# Altium PCB GSMLift.PcbDoc
Units mm, origin at the board's own origin, x right, y up, seen from the top; angles counter-clockwise.
Board outline 100 x 50 mm, 2 copper layers (Top Layer, Bottom Layer); 71 components, 43 nets, 269 pads, 376 vias.
Unrouted connection lines stored in the file: 100.
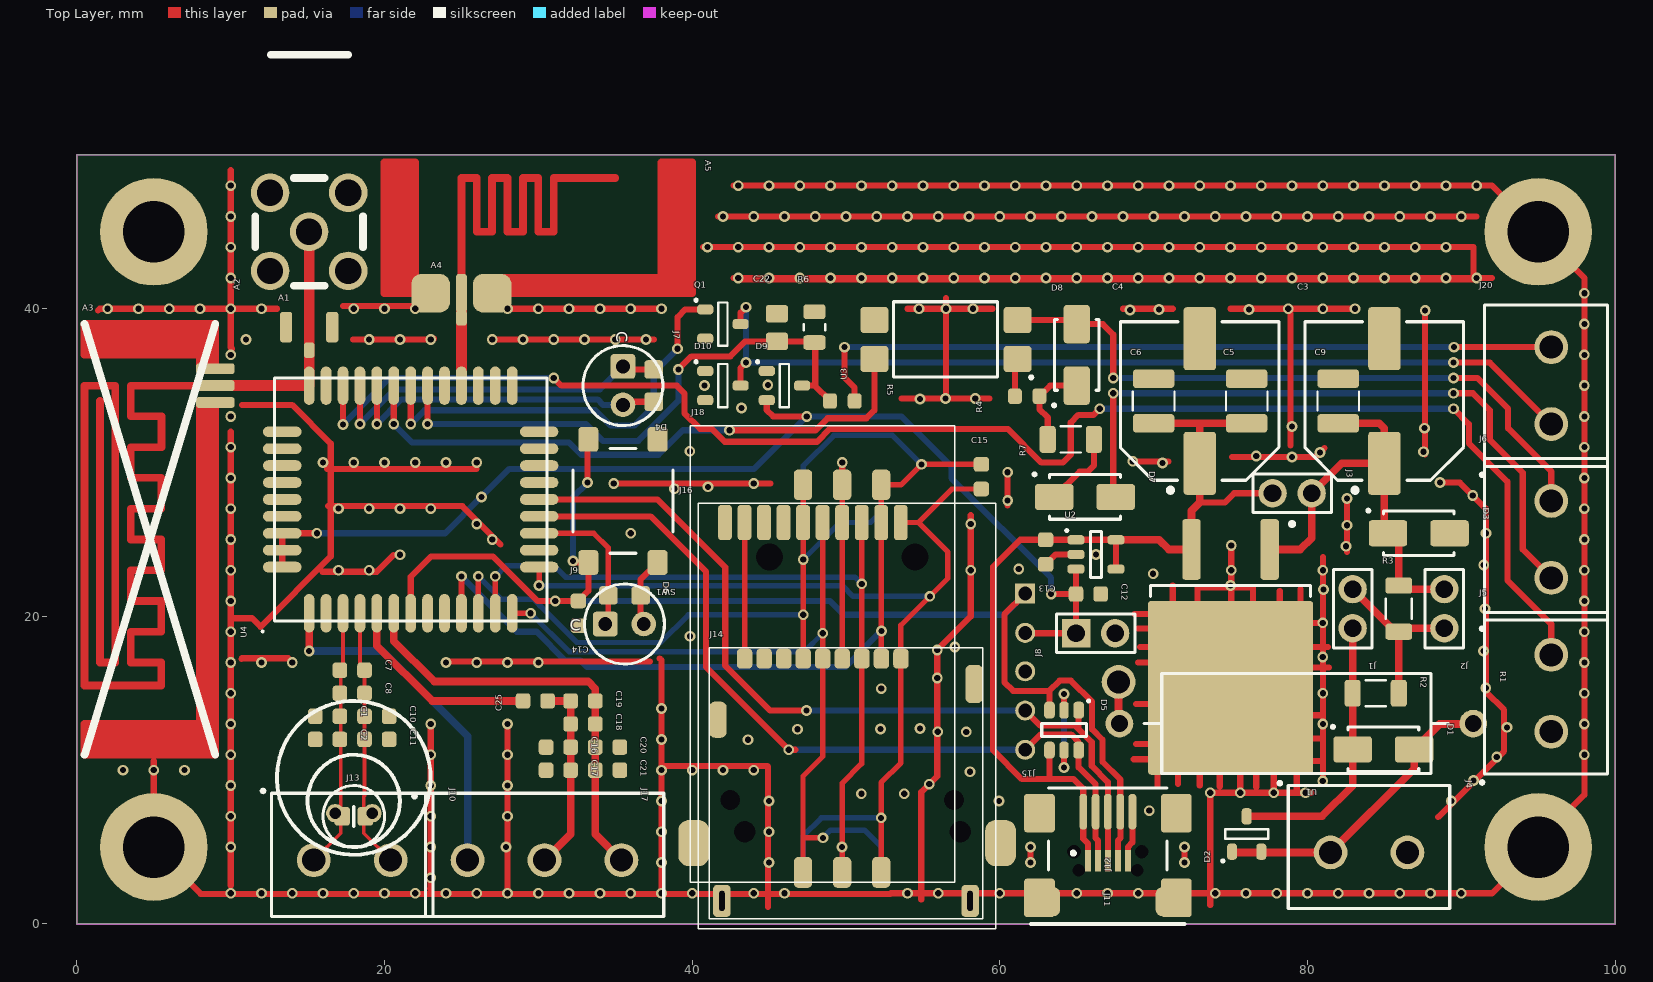
[diagram p0: Top Layer view]
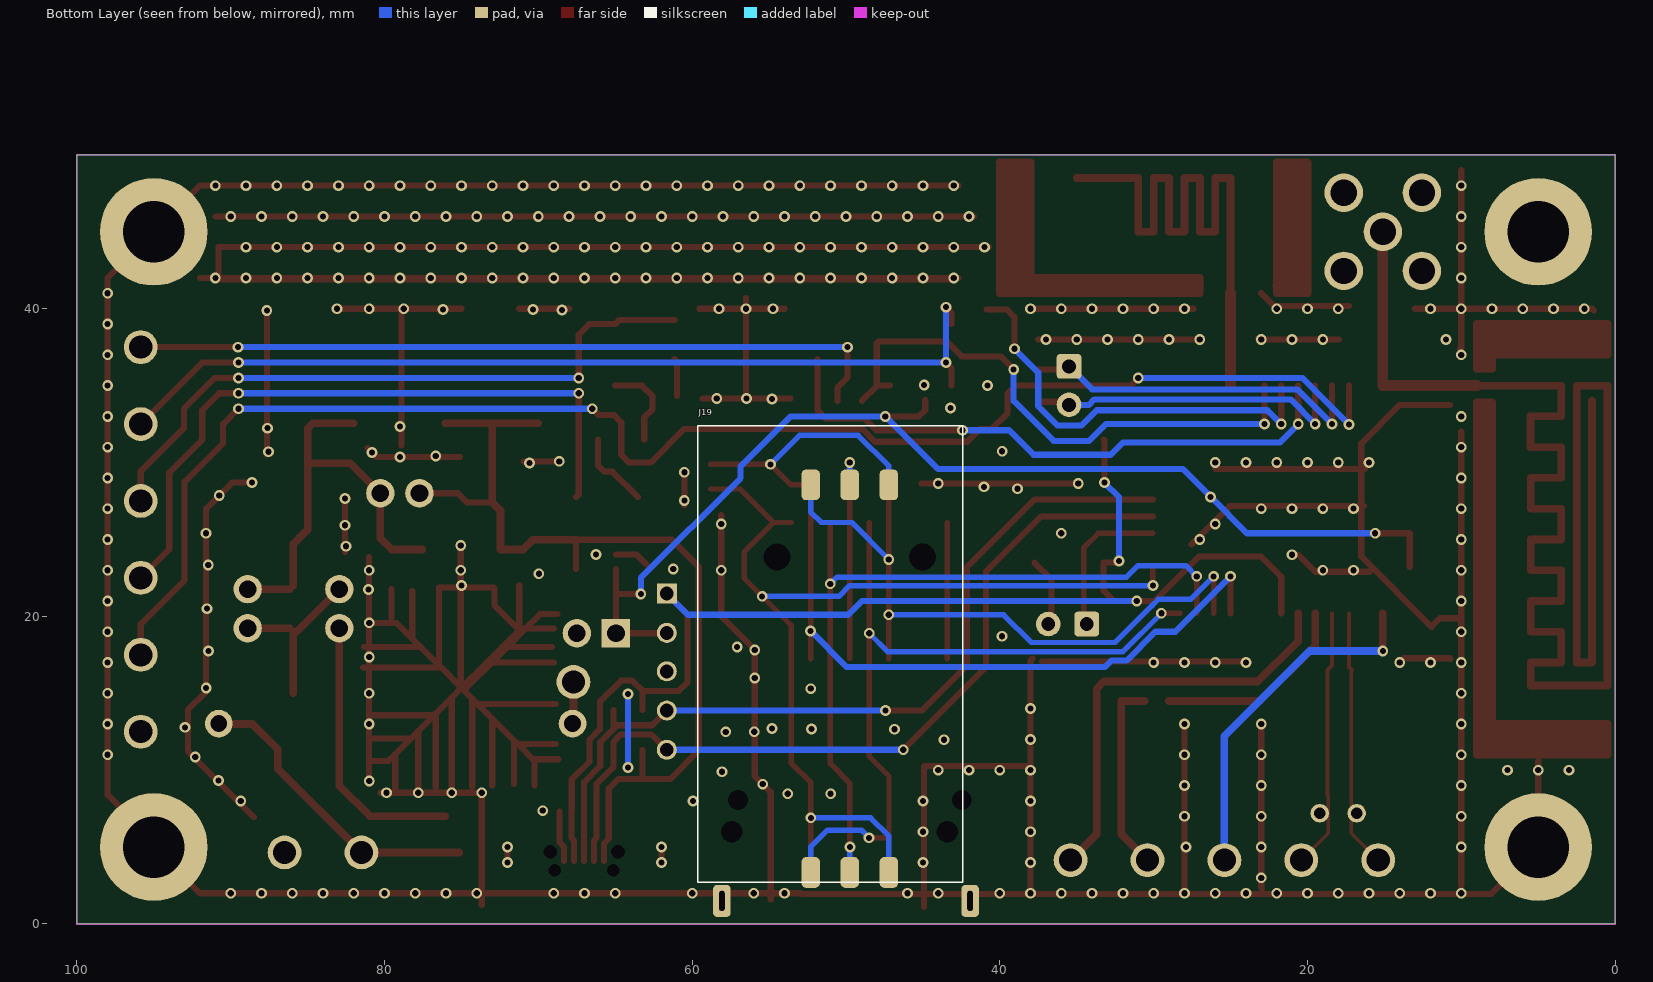
[diagram p1: Bottom Layer view, seen from below]
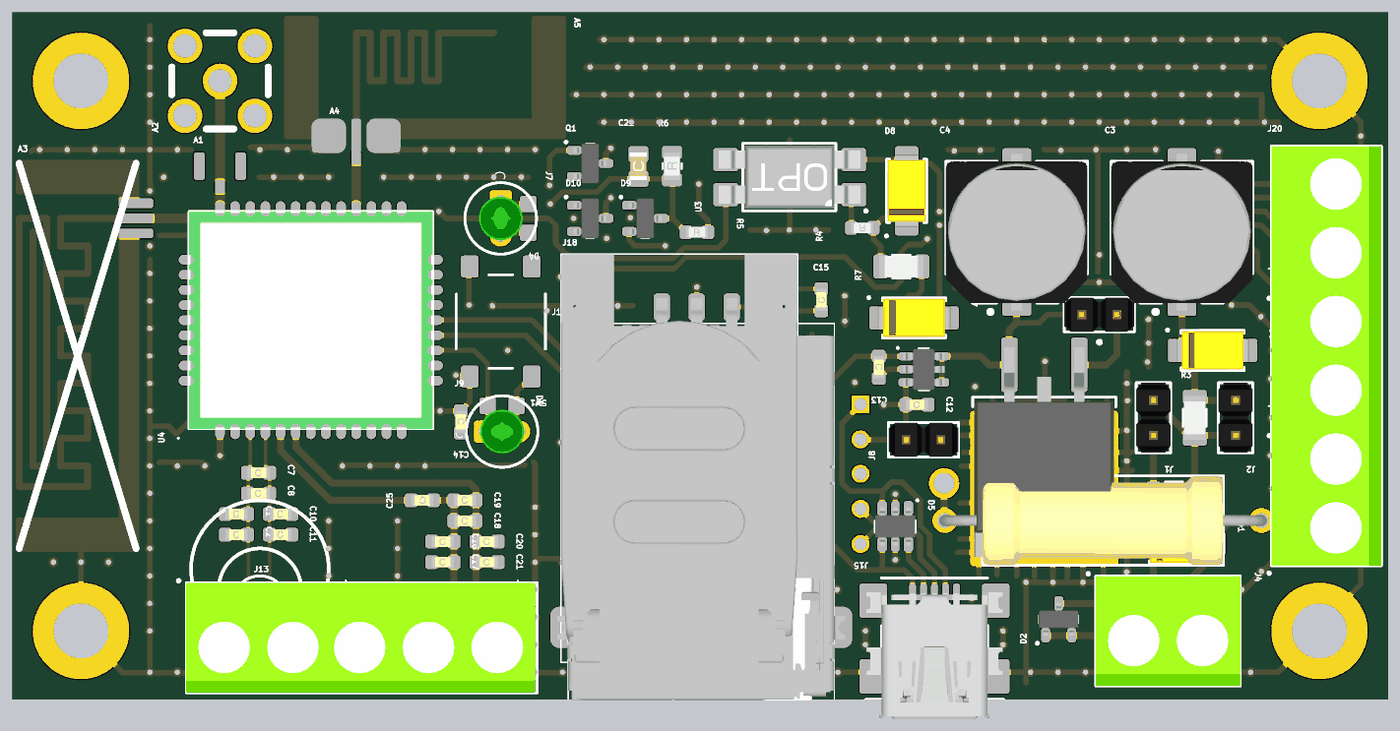
[diagram p2: 3D render of the assembled board from above, using the file's embedded part models]

## Layer stack, top to bottom
Top Solder: solder mask 0.0102, Solder Resist, Dk 3.5
Top Layer: signal copper 0.0356
Dielectric 1: dielectric 0.32, FR-4, Dk 4.8
Bottom Layer: signal copper 0.0356
Bottom Solder: solder mask 0.0102, Solder Resist, Dk 3.5

## Board outline
0,0 100,0 100,50 0,50

## Design rules (kind name [scope] priority, off if disabled: settings)
Clearance Clearance_110V_Keepout [InNetClass('110V') vs OnLayer('Keep-Out Layer')] p1: gap=0.3
Clearance Clearance_Q1Q2Q3 [(InComponent('Q1') OR InComponent('Q2') OR InComponent('Q3')) vs (InComponent('Q1') OR InComponent('Q2') OR InComponent('Q3'))] p2: gap=1
Clearance Clearance_110V_NoNet [InNetClass('110V') vs InNet('No Net')] p3: gap=0.5
Clearance Clearance_220V_110V [InNetClass('220V') vs InNetClass('110V')] p4: gap=1
Clearance Clearance_240VAC_220V [InNet('240VAC') vs InNetClass('220V')] p5: gap=1
Clearance Clearance_Poly [All vs InPolygon] p6: gap=0.4
Clearance Clearance_TrackAll [All vs IsTrack] p7: gap=0.2
Clearance Clearance_TrackU4 [InComponent('U4') vs IsTrack] p8: gap=0.25
Clearance Clearance_220V [InNetClass('220V')] p9: gap=2
Clearance Clearance_110V [InNetClass('110V')] p10: gap=1
Clearance [All] p11: gap=0.2
ComponentClearance [All] p1 off: gap=0.254 collisioncheckmode=3 verticalgap=0.254 showdistances=FALSE
Height [All] p1 off: minheight=0 maxheight=25.4 prefheight=12.7
HoleSize [All] p1: absolutevalues=TRUE maxlimit=5 minlimit=0.025 maxpercent=80.000 minpercent=20.000
PolygonConnect DirectConnectComponents [InComponent(A1,A2,A3,A4,A5)] p1: connectstyle=Direct reliefconductorwidth=0 reliefentries=4 polygonreliefangle="90 Angle" airgapwidth=0.254
PolygonConnect PolygonConnect_1 [InPadClass('Flooded')] p2: connectstyle=Direct reliefconductorwidth=0.254 reliefentries=4 polygonreliefangle="90 Angle" airgapwidth=0.254
PolygonConnect PolygonConnect_GND [All vs IsVia] p3: connectstyle=Direct reliefconductorwidth=0.254 reliefentries=4 polygonreliefangle="90 Angle" airgapwidth=0.254
PolygonConnect [All] p4: connectstyle=Relief reliefconductorwidth=0.5 reliefentries=4 polygonreliefangle="90 Angle" airgapwidth=0.3
RoomDefinition GSMLift [InComponentClass('GSMLift')] p1: confinementstyle=ConfineIn formatcopy=TRUE lockcomponents=FALSE outline 0,0 100,0 100,50 0,50
RoutingVias [All] p1: holewidth=0.711 width=1.27 viastyle="Through Hole" minholewidth=0.711 minwidth=1.27 maxholewidth=0.711 maxwidth=1.27
SolderMaskExpansion [All] p1: expansion=0.102
UnpouredPolygon [All] p1: allowunpoured=FALSE
Width [All] p1: maxlimit=5 minlimit=0.2 preferedwidth=0.5
26 further rules are at their usual default settings.

## Components (designator, comment, footprint, x,y, rotation, side; value= is the part's Value field where it differs from the comment)
A1 "UFL" SMD_CON_ANTENNA_UFL 15.1,38.8 r0 top
A2 "SMA" SMD_CON_ANTENNA_SMA 15.1,45 r90 top
A3 "PCB" SMD_CON_ANTENNA_GSM_PCB_INV 9,35 r90 top
A4 "UFL" SMD_CON_ANTENNA_UFL 25,40.9 r0 top
A5 "ANTENNA_2" SMD_CON_ANTENNA_BT_PCB 25,41 r0 top
C1 "33pF" SMD_0603_CAPC1608X95N 16.3,13.5 r0 top
C2 "10pF" SMD_0603_CAPC1608X95N 16.3,12 r0 top
C3 "100uF" SMD_CAPAE1030X1050N 85,34 r90 top
C4 "220uF" SMD_CAPAE1030X1050N 73,34 r90 top
C5 "220uF" SMD_1210_CAPC3225X279N 76.05,34 r90 top
C6 "220uF" SMD_1210_CAPC3225X279N 70,34 r90 top
C7 "33pF" SMD_0603_CAPC1608X95N 17.9,16.5 r0 top
C8 "10pF" SMD_0603_CAPC1608X95N 17.9,15 r0 top
C9 "22uF" SMD_1210_CAPC3225X279N 82,34 r90 top
C10 "33pF" SMD_0603_CAPC1608X95N 19.5,13.5 r0 top
C11 "10pF" SMD_0603_CAPC1608X95N 19.5,12 r0 top
C12 "1uF" SMD_0603_CAPC1608X95N 65.75,21.45 r0 top
C13 "1uF" SMD_0603_CAPC1608X95N 62.975,24.175 r270 top
C14 "1uF" SMD_0603_CAPC1608X95N 32.6,20.2 r270 top
C15 "1uF" SMD_0603_CAPC1608X95N 58.8,29.08 r90 top
C16 "33pF" SMD_0603_CAPC1608X95N 31.3,11.5 r0 top
C17 "10pF" SMD_0603_CAPC1608X95N 31.3,10 r0 top
C18 "33pF" SMD_0603_CAPC1608X95N 32.9,13 r0 top
C19 "10pF" SMD_0603_CAPC1608X95N 32.9,14.5 r0 top
C20 "33pF" SMD_0603_CAPC1608X95N 34.5,11.5 r0 top
C21 "10pF" SMD_0603_CAPC1608X95N 34.5,10 r0 top
C22 "22uF" SMD_0805_CAPC2012X95N 45.508,38.775 r90 top
C25 "22uF" SMD_0603_CAPC1608X95N 29.8,14.5 r180 top
D1 "1N4004" SMD_DO214AC_SMA 84.936,11.35 r0 top
D2 "BAV70" SMD_SOT23_SOT95P240X120-3N 76.05,5.85 r90 top
D3 "D_ZEN" SMD_DO214AC_SMA 87.236,25.4 r0 top
D4 "LED_CALL" SMD_0805_LED2012X100N 37.5,35 r270 top
D5 "SMS05T1G" SMD_SOT95P280X145-6N-W 64.175,12.6 r270 top
D6 "LED_NETWORK" SMD_0805_LED2012X100N 35.6,21.362 r0 top
D7 "1N4004" SMD_DO214AC_SMA 65.534,27.762 r0 top
D8 "D_ZEN" SMD_DO214AC_SMA 65,37 r90 top
D9 "BAV99" SMD_SOT23_SOT95P240X120-3N 46,35 r0 top
D10 "1N4148" SMD_SOT23_SOT95P240X120-3N 42,35 r0 top
J1 "CON_2PINS" PTH_HDRV02W64P254_1X02#1 82.936,20.5 r270 top
J2 "CON_2PINS" PTH_HDRV02W64P254_1X02#1 88.9,20.5 r270 top
J3 "CON_2PINS" PTH_HDRV02W64P254_1X02#1 79,28 r0 top
J4 "CON_2PINS" PTH_HDRV02W11060P500_1X02 84,5 r0 top
J5 "CON_2PINS" PTH_HDRV02W11060P500_1X02 95.5,15 r90 top
J6 "CON_2PINS" PTH_HDRV02W11060P500_1X02 95.5,25 r90 top
J7 "CON_2PINS" PTH_LED-KINGBRIGHT-L-934SGC 35.5,35 r270 top
J8 "CON_2PINS" PTH_HDRV02W64P254_1X02#2 66.225,18.9 r180 top
J9 "CON_2PINS" PTH_LED-KINGBRIGHT-L-934SGC 35.6,19.5 r0 top
J10 "CON_2PINS" PTH_HDRV02W11060P500_1X02 17.9,4.5 r0 top
J11 "ATTEND 207A-BBA0-R" SMD_CON_MICRO_USB 67.025,4.1 r270 top
J12 "ATTEND 207A-BBA0-R" SMD_CON-CVILUX-CU04-SCM15B0 67.025,4.7 r0 top
J13 "CON_2PINS" "PTH_MIC_9.6MM_6MM_2.7MM_PITCH1.9 - duplicate" 18,8 r180 top
J14 "CON_13PINS" SMD_CON-ATTEND_MICRO_SIM_115Q-BCA0 50,1.5 r0 top
J15 "CON_5PINS" "SIP5 - PGM" 61.65,16.4 r270 top
J16 "CON_14PINS" SMD_CON-ATTEND_SIM_115A-BDA0-R01 49.3,-0.3 r0 top
J17 "CON_3PINS" PTH_HDRV03W11060P500_1X03 30.4,4.5 r0 top
J18 "CON_14PINS" SMD_CON-ATTEND_SIM_115B-AAA0-R01 54.475,23.85 r90 top
J19 "CON_14PINS" SMD_CON-ATTEND_SIM_115B-AAA0-R01 45.025,23.85 r90 bottom
J20 "CON_2PINS" PTH_HDRV02W11060P500_1X02 95.5,35 r90 top
Q1 "NPN" SMD_SOT23_SOT95P240X120-3N 42,39 r0 top
R1 "470 PTH" PTH_RESAD2300W78L1750D650P 79.275,13.025 r0 top
R2 "470R" SMD_1206_RESC3216X102N 84.436,15 r0 top
R3 "470R" SMD_1206_RESC3216X102N 85.936,20.5 r90 top
R4 "10k" SMD_0603_RESC1608X55N 61.779,34.313 r180 top
R5 "10k" SMD_0603_RESC1608X55N 49.76,34 r0 top
R6 "10k" SMD_0805_RESC2012X60N 47.95,38.8 r90 top
R7 "10k" SMD_1206_RESC3216X102N 64.612,31.5 r180 top
SW1 "BUTTON_1" SMD_SW_TACT-64K 35.5,27.5 r180 top
U1 "IC_7805" SMD_TO254P1524X483-3_4N_D2PAK 75,18 r270 top
U2 "MCP73811 450mA" "SMD_SOT26_SOT95P285X140-5N - DLV" 66.25,24.025 r0 top
U3 "LTV817CS" SMD_SOIC254P1030X390-4N 56.5,38 r180 top
U4 "QUECTEL_M66" SMD_MOD_M66-44N 21.7,27.6 r90 top

## Footprints (in the part's own frame and the unit in brackets; to place one, negate y for a bottom-side part, rotate by r counter-clockwise, add the part's x,y. Pads: shape width x height; smd on the part's side, far side on the other; paste and mask are expansions set on the pad)
PTH_HDRV02W64P254_1X02#1 [mm]
  round 1.85 hole 1.15 mask+0.075: 1(-1.27,0) 2(1.27,0)
  silkscreen extent -2.55,-1.25 2.55,1.25, body extent -2.54,-1.25 2.54,1.25, height 8
PTH_HDRV02W64P254_1X02#2 [mm]
  round 1.85 hole 1.15 mask+0.075: 1(-1.27,0)
  rect 1.85x1.85 hole 1.15 mask+0.075: 2(1.27,0)
  silkscreen extent -2.55,-1.25 2.55,1.25, body extent -2.54,-1.25 2.54,1.25, height 8
PTH_HDRV02W11060P500_1X02 [mm]
  round 2.2 hole 1.5 mask+0.075: 1(-2.5,-0.35) 2(2.5,-0.35)
  silkscreen extent -6,-4 5.25,4.35, body extent -5.25,-4 5.25,4, height 11
PTH_HDRV03W11060P500_1X03 [mm]
  round 2.2 hole 1.5 mask+0.075: 1(-5,-0.35) 2(0,-0.35) 3(5,-0.35)
  silkscreen extent -8.65,-4 7.75,4, body extent -7.9,-4 7.6,4, height 11
PTH_LED-KINGBRIGHT-L-934SGC [mm]
  rrect25% 1.6x1.6 / inner round 1.6 / far side rrect25% 1.6x1.6 hole 0.9 mask+0.075: 1(-1.25,0)
  round 1.6 hole 0.9 mask+0.075: 2(1.25,0)
  silkscreen extent -2.6,-2.6 2.6,2.6, body extent -1.6,-1.6 1.6,1.6, height 5.9
"PTH_MIC_9.6MM_6MM_2.7MM_PITCH1.9 - duplicate" [mm] "ECM-60PC PMO-6027P-40KDQ(20120820)"
  round 1.2 hole 0.75: 1(-1.2,0.8) 2(1.2,0.8)
  rrect33% 1x1.2 smd mask+0.075: 1(-0.75,1) 2(0.75,1)
  silkscreen extent -5,-6.5 5,3.5, body extent -2.98,-2.99 3,2.99, height 6.45
PTH_RESAD2300W78L1750D650P [mm]
  round 1.8 hole 1.1 mask+0.075: 1(-11.5,0) 2(11.5,0)
  silkscreen extent -9.9,-3.25 9.9,3.25, body extent -11.9,-3.25 11.9,3.25, height 6.5
"SIP5 - PGM" [mm]
  rect 1.3x1.3 hole 0.9: 1(-5.075,0)
  round 1.3 hole 0.9: 2(-2.525,0) 3(-0.025,0) 4(2.525,0) 5(5.075,0)
SMD_0603_CAPC1608X95N [mm]
  rrect42% 0.95x1 smd mask+0.075: 1(-0.8,0) 2(0.8,0)
  body extent -0.8,-0.4 0.8,0.4, height 0.95
SMD_0603_RESC1608X55N [mm]
  rrect44% 0.9x1 smd mask+0.075: 1(-0.8,0) 2(0.8,0)
  body extent -0.8,-0.4 0.8,0.4, height 0.55
SMD_0805_CAPC2012X95N [mm]
  rrect35% 1.15x1.45 smd mask+0.075: 1(-0.9,0) 2(0.9,0)
  body extent -1,-0.62 1,0.63, height 1.25
SMD_0805_LED2012X100N [mm]
  rrect33% 1.2x1.2 smd mask+0.075: 1(-1.05,0) 2(1.05,0)
SMD_0805_RESC2012X60N [mm]
  rrect42% 0.95x1.45 smd mask+0.05: 1(-1,0) 2(1,0)
  silkscreen extent -0.2,-0.7 0.2,0.7, body extent -1,-0.6 1,0.6, height 0.6
SMD_1206_RESC3216X102N [mm]
  rrect38% 1.05x1.75 smd mask+0.075: 1(-1.5,0) 2(1.5,0)
  silkscreen extent -0.65,-0.85 0.65,0.85, body extent -1.6,-0.8 1.6,0.8, height 1.02
SMD_1210_CAPC3225X279N [mm]
  rrect35% 1.2x2.7 smd mask+0.075: 1(-1.45,0) 2(1.45,0)
  silkscreen extent -0.6,-1.35 0.6,1.35, body extent -1.6,-1.25 1.6,1.25, height 2.79
SMD_CAPAE1030X1050N [mm]
  rrect19% 4.1x2.1 smd mask+0.075: 1(-4.05,0) 2(4.05,0)
  silkscreen extent -5.95,-5.15 5.15,5.15, body extent -5.7,-5.15 5.7,5.15, height 11
SMD_CON-ATTEND_MICRO_SIM_115Q-BCA0 [mm] "ATTEND MicroSIM Holder 115Q-BCA0"
  rrect50% 1x1.3 smd mask+0.05: 1(3.57,15.75) 2(1.03,15.75) 3(-1.51,15.75) 4(-4.05,15.75) 5(2.3,15.75) 6(-0.24,15.75) 7(-2.78,15.75) 8(-5.32,15.75) 9(-6.59,15.75)
  rrect50% 1.15x2.1 hole 0.35 slot 1.3 at 90 deg mask+0.05: 10(-8.07,0) 11(8.07,0)
  rrect67% 1.15x2.35 smd mask+0.05: 12(-8.33,11.78)
  rrect67% 1.15x2.5 smd mask+0.05: 13(8.33,14.1)
  silkscreen extent -8.9,-1.15 8.9,16.45, body extent -8.64,-1.55 8.65,16.52, height 1.63
SMD_CON-ATTEND_SIM_115A-BDA0-R01 [mm] "ATTEND SIM Holder Push Push 115A-BDA0-R01"
  rrect50% 0.9x2.3 smd mask+0.05: 1(4.26,26.4) 2(1.72,26.4) 3(-0.82,26.4) 4(-3.36,26.4) 5(2.99,26.4) 6(0.45,26.4) 7(-2.09,26.4) 8(-4.63,26.4) 9(-5.9,26.4) 10(-7.17,26.4)
  rrect67% 2x3 smd mask+0.05: 11(-9.2,5.56) 12(10.75,5.56)
  rrect50% 0.7x0.7 hole 1.4 mask+0.05: 13(-5.88,6.3) 14(8.12,6.3)
  silkscreen extent -8.9,0 10.45,27.66, body extent -9.71,0.29 11.24,26.79, height 1.85
SMD_CON-ATTEND_SIM_115B-AAA0-R01 [mm] "ATTEND SIM Holder 115B-AAA0-R01"
  rrect50% 2x1.2 smd mask+0.05: 1(-20.5,2.19) 2(-20.5,4.73) 3(-20.5,7.27) 5(4.7,2.19) 6(4.7,4.73) 7(4.7,7.27)
  rrect50% 1x1 hole 1.3 mask+0.05: 13(-15.8,12)
  rrect50% 1x1 hole 1.75 mask+0.05: 14(0,0)
  silkscreen extent -21.15,-2.6 8.55,14.6, body extent -21.15,-2.6 8.55,14.6, height 2.4
SMD_CON-CVILUX-CU04-SCM15B0 [mm]
  rrect80% 0.5x2.3 smd mask+0.075: 1(-1.6,2.6) 2(-0.8,2.6) 3(0,2.6) 4(0.8,2.6) 5(1.6,2.6)
  rrect20% 2x2.5 smd mask+0.075: 6(4.45,2.5) 7(4.45,-3) 8(-4.45,-3) 9(-4.45,2.5)
  round 0.5 hole 0.9 unplated mask+0.275: 10(-2.2,0) 11(2.2,0)
  silkscreen extent -3.85,-4.7 3.85,4.15, body extent -4.95,-5.9 4.95,3.1, height 3.95
SMD_CON_ANTENNA_BT_PCB [mm]
  rrect50% 0.7x2.5 smd: 1(0,0.004)
  rrect50% 2.5x2.5 smd: 2(-2,0.004) 2(2,0.004)
  Top Layer lines w0.5: -4.5,8.5 -4.5,0 ; -4,0 -4,8.5 -3.5,8.5 -3.5,0 ; -2.992,0.507 -2.99,0.504 ; 0,0.004 0,7.5 1,7.5 1,4 1.99,4 1.99,7.5 3,7.5 3,4 4,4 4,7.5 5,7.5 5,4 6,4 6,7.5 10,7.5 ; 1.99,0.5 1.992,0.502 13,0.502 13,8.5 15,8.5 15,0.004 13,0.004 ; 4,0.004 2,0.004 ; 13.5,0.004 13.5,8.5 ; 14,0.004 14,8.5 14.5,8.5 14.5,0.004 ; -4.5,0 -5,0 -5,8.5 -3,8.5 -3,0.004 -3,0 -3.5,0 ; -4.5,0 -3.5,0 ; 2,0.004 2,1 13.996,1 13,0.004 ; 2,0.004 13,0.004
SMD_CON_ANTENNA_GSM_PCB_INV [mm]
  rrect50% 0.7x2.5 smd: 1(0,0) 2(-1.1,0) 2(1.1,0)
  Top Layer lines w0.5: -22.5,8.5 -22.5,0.004 ; 3.5,8.5 3.5,0 ; -1,7.5 -18,7.5 -18,6.5 0,6.5 0,8.5 -19.5,8.5 -19.5,3.51 -18,3.51 -18,5.5 -16,5.5 -16,3.51 -14,3.51 -14,5.5 -12,5.5 -12,3.51 -10,3.51 -10,5.5 -8,5.5 -8,3.51 -6,3.51 -6,5.5 -4,5.5 -4,3.5 -2,3.5 -2,5.5 0,5.5 0,0 ; -22,0.502 -1.1,0.502 ; -23.5,0.004 -23.5,8.5 -23,8.5 -23,0.004 ; -1.1,0.004 -22,0.004 ; -1.1,0 -1.1,1 -22,1 -22,0.004 ; 2.5,0 2.5,8.5 3,8.5 3,0 ; 1.1,1 1.1,0 ; 1.1,1 4,1 4,0.5 1.1,0.5 1.1,0 ; 1.1,1 1.1,0 ; -22,0.004 -22,8.5 -24,8.5 -24,0.004 -22,0.004 ; 1.1,0 4,0 ; 2,0 4,0 ; 2,0 2,8.5 4,8.5 4,0 ; 2,0 4,0
  silkscreen extent -24,0 4,8.5
SMD_CON_ANTENNA_SMA [mm]
  round 2.5 hole 1.7: 1(0,0) 2(-2.54,-2.54) 2(-2.54,2.54) 2(2.54,-2.54) 2(2.54,2.54)
  silkscreen extent -3.5,-3.5 11.5,3.5
SMD_CON_ANTENNA_UFL [mm]
  rrect50% 0.7x1 smd: 1(0,-1.5)
  rrect50% 0.8x2 smd: 2(-1.5,0) 2(1.5,0)
SMD_CON_MICRO_USB [mm]
  rect 1.4x0.4 smd: 1(0,-1.3) 2(0,-0.65) 3(0,0) 4(0,0.65) 5(0,1.3)
  round 0.7 hole 0.8: 6(0.6,1.9) 9(0.6,-1.9)
  rrect50% 1.9x1.8 smd: 7(2.65,4) 8(2.65,-4)
  silkscreen extent -0.6,-5 4.1,5, body extent -0.1,-4 5.5,4, height 2.7
SMD_DO214AC_SMA [mm]
  rrect24% 2.5x1.7 smd mask+0.075: 1(-2,0) 2(2,0)
  silkscreen extent -3.46,-1.45 2.3,1.65, body extent -2.64,-1.39 2.64,1.4, height 2.29
SMD_MOD_M66-44N [mm] "Quectel M66"
  oval 2.5x0.7 smd mask+0.075: 1(-7.4,6.6) 2(-7.4,5.5) 3(-7.4,4.4) 4(-7.4,3.3) 5(-7.4,2.2) 6(-7.4,1.1) 7(-7.4,0) 8(-7.4,-1.1) 9(-7.4,-2.2) 10(-7.4,-3.3) 11(-7.4,-4.4) 12(-7.4,-5.5) 13(-7.4,-6.6) 23(7.4,-6.6) 24(7.4,-5.5) 25(7.4,-4.4) 26(7.4,-3.3) 27(7.4,-2.2) 28(7.4,-1.1) 29(7.4,0) 30(7.4,1.1) 31(7.4,2.2) 32(7.4,3.3) 33(7.4,4.4) 34(7.4,5.5) 35(7.4,6.6)
  oval 0.7x2.5 smd mask+0.075: 14(-4.4,-8.35) 15(-3.3,-8.35) 16(-2.2,-8.35) 17(-1.1,-8.35) 18(0,-8.35) 19(1.1,-8.35) 20(2.2,-8.35) 21(3.3,-8.35) 22(4.4,-8.35) 36(4.4,8.35) 37(3.3,8.35) 38(2.2,8.35) 39(1.1,8.35) 40(0,8.35) 41(-1.1,8.35) 42(-2.2,8.35) 43(-3.3,8.35) 44(-4.4,8.35)
  silkscreen extent -8.69,-8.85 7.9,9.73, body extent -7.9,-8.85 7.9,8.85, height 2.3
SMD_SOIC254P1030X390-4N [mm]
  rrect24% 1.8x1.7 smd mask+0.075: 1(-4.65,1.27) 2(-4.65,-1.27) 3(4.65,-1.27) 4(4.65,1.27)
  silkscreen extent -5.64,-2.45 3.4,2.56, body extent -5.15,-2.29 5.15,2.29, height 3.9
SMD_SOT23_SOT95P240X120-3N [mm]
  rrect62% 1.05x0.65 smd mask+0.075: 1(-1.15,0.95) 2(-1.15,-0.95) 3(1.15,0)
  silkscreen extent -1.82,-1.4 0.3,1.62, body extent -1.2,-1.45 1.2,1.45, height 1.2
"SMD_SOT26_SOT95P285X140-5N - DLV" [mm]
  rrect67% 1.1x0.6 smd mask+0.075: 1(-1.3,0.95) 2(-1.3,0) 3(-1.3,-0.95) 4(1.3,-0.95) 5(1.3,0.95)
  silkscreen extent -2.05,-1.5 0.35,1.7, body extent -1.5,-1.5 1.5,1.5, height 1.2
SMD_SOT95P280X145-6N-W [mm]
  rrect67% 1.1x0.7 smd mask+0.075: 1(-1.3,0.95) 3(-1.3,-0.95) 4(1.3,-0.95) 6(1.3,0.95)
  rrect67% 1.1x0.6 smd mask+0.075: 2(-1.3,0) 5(1.3,0)
  silkscreen extent -2.05,-1.45 0.43,1.75, body extent -1.4,-1.45 1.4,1.45, height 1.45
SMD_SW_TACT-64K [mm]
  rrect31% 1.3x1.6 smd mask+0.075: 1(-2.25,4) 2(-2.25,-4) 3(2.25,4) 4(2.25,-4)
  silkscreen extent -3.25,-3.4 3.25,3.4, body extent -1.74,-1.75 1.75,1.75, height 9.5
SMD_TO254P1524X483-3_4N_D2PAK [mm]
  rrect33% 3.95x1.2 smd mask+0.075: 1(-6.35,2.54) 3(-6.35,-2.54)
  rrect4% 11.3x10.75 smd paste-5.65 mask+0.075: 2(2.65,0)
  silkscreen extent -8.25,-5.2 -3.3,5.2, body extent -7.62,-5.08 7.62,5.08, height 4.97

## Part data
A1 A2 A3 A4: library part ANTENNA_2
C1 C2 C7 C8 C10 C11 C12 C13 C14 C15 C16 C17 C18 C19 C20 C21 C22 C25: library part C
C3 C4: library part C_POL
C5 C6 C9: library part "Cap Semi", "CL32A227MQVNNNE 220UF 6.3V 20% X5R 1210"
D1 D4 D6 D7: library part D
D2: library part "DUAL DIODE BAV70"
D5: library part D_TVS_QUAD_C1AA2AA5C3C4C6, "4 IO lines TVS"
D9: library part D_DUAL_A1C2AC3
D10: library part D_A1C3
J11 J12: library part CON_USB_MINI
Q1: library part BJT_NPN_B1E2C3
R1 R4 R5 R6 R7: library part R
R2 R3: library part Res1, "Resistor"
U2: "MCP73812"
U3: library part OPTO_A1C2E3C4
U4: library part MOD_QUECTEL_M66

## Free pads (board coordinates)
  round 7 hole 4: 1(5,5) 1(5,45) 1(95,5) 1(95,45)
  round 2.2 hole 1.5: 2(67.72,15.735)

## Via types
v1: diameter 0.7, hole 0.4, Top Layer to Bottom Layer, tented both sides, 376 vias

## Nets (pads, with @x,y where several pads share a name; then routed paths per layer and width w, separated by ;. In a path a pad name is that pad's centre, name@x,y a point inside that pad or via, vN(x,y) a via of type N, cw(c..) or ccw(c..) an arc to the next point about the centre after c; other vN are vias at no path point)
5.0V: C4.1 C5.1 C6.1 C13.1 D5.4 J3.1 J11.1 J11.9 J12.1 U1.3 U2.1 U2.4 U2.5 | length 60.7
  Top Layer w0.4: D5.4 63.225,9.425 ; J11.1 65.725,5.239 65.425,5.539 J12.1 65.425,8.8 64.8,9.425 63.225,9.425 ; U2.4 U2.5 C13.1 61.325,24.975 59.575,23.225 59.575,11.291 61.441,9.425 63.225,9.425 ; 73,27.4 74.632,27.4 75.232,28 J3.1
  Top Layer w0.5: U2.5 70.35,24.975 70.975,24.35 U1.3 72.46,26.86 73,27.4 C4.1 73,32.55 ; C6.1 C5.1
12V: C3.1 C9.1 D3.1 J2.1 J3.2 R3.2 U1.1 | length 28
  Top Layer w0.5: U1.1 79.54,24.35 80.27,25.08 J3.2 82.22,29.95 C3.1 ; C9.1 84.673,32.55 85,32.223 C3.1 ; R3.2 85.936,24.7 D3.1 85,25.636 C3.1 ; R3.2@86.166,21.77 J2.1
AC: pad.2 R1.1 | length 2.3
  Top Layer w0.5: R1.1@67.72,13.39 pad.2
AGND: J17.1 U4.1 | length 23.1
  Top Layer w0.5: v1(15.1,17.75) U4.1
  Bottom Layer w0.5: v1(15.1,17.75) 19.85,17.75 25.4,12.2 J17.1
BT_ANT: A4.1 A5.1 U4.26 | length 6
  Top Layer w0.7: U4.26 A5.1
BTN_CALL: J5.2 U4.33 | length 101
  Top Layer w0.4: v1(17.3,32.473) U4.33 ; v1(31,35.5) 31.5,35 38.996,35 39.5,34.496 39.5,33.2 40.516,32.184 41.28,32.184 42.114,31.35 48.121,31.35 48.955,32.184 60.516,32.184 62.7,30 64.1,30 64.612,30.512 64.612,32.6 65.112,33.1 66.1,33.1 v1(66.5,33.5) ; v1(89.5,33.5) 90.5,32.5 90.5,31.25 93,28.75 93,22.347 95.85,19.497 J5.2
  Bottom Layer w0.4: v1(17.3,32.473) 17.312,32.473 20.339,35.5 v1(31,35.5) ; v1(66.5,33.5) v1(89.5,33.5)
BTN_CALL_DENY: U3.4 U4.30 | length 39.1
  Top Layer w0.4: v1(20.6,32.5) U4.30 ; v1(42.425,32.1) 48.023,32.1 48.801,32.878 51.327,32.878 51.85,33.401 U3.4
  Bottom Layer w0.4: v1(20.6,32.5) 21.8,31.3 32,31.3 32.8,30.5 37.8,30.5 39.4,32.1 v1(42.425,32.1)
BTN_CALL_DENY_OUT: D7.2 J6.1 | length 44.3
  Top Layer w0.4: v1(67.375,34.5) 67.375,27.922 D7.2 ; v1(89.5,34.5) 90.75,34.5 91.85,33.4 91.85,31.487 94,29.337 94,24.35 J6.1
  Bottom Layer w0.4: v1(67.375,34.5) v1(89.5,34.5)
DIV_IN: C22.1 D9.3 R5.1 R6.1 U4.28 | length 37
  Top Layer w0.4: v1(22.8,32.5) U4.28 ; v1(39.1,36.05) 39.95,36.9 42.475,36.9 43.45,37.875 C22.1 R6.1@47.875,37.875 ; D9.3 47.96,35 ; R6.1 48,37.75 48,35 47.96,35 ; R5.1 47.96,35
  Bottom Layer w0.4: v1(22.8,32.5) 33.1,32.5 34.2,31.4 36.5,31.4 39.1,34 v1(39.1,36.05)
DIVIDER_IN: J20.2 R5.2 | length 49.7
  Top Layer w0.4: v1(49.9,37.5) 49.9,35.532 50.56,34.872 R5.2 ; v1(89.525,37.5) J20.2
  Bottom Layer w0.4: v1(49.9,37.5) v1(89.525,37.5)
GND: A1.2 A2.2 A3.2 A4.2 A5.2 C1.1 C2.1 C3.2 C4.2 C5.2 C6.2 C9.2 C10.2 C11.2 C12.2 C13.2 C14.2 C16.1 C17.1 C20.2 C21.2 C22.2 D3.2 D5.2 D5.5 D6.2 D9.1 D10.1 J4.2 J5.1 J8.1 J9.2 J11.5 J11.6 J11.7 J11.8 J12.5 J12.6 J12.7 J12.8 J12.9 J14.10 J14.11 J14.12 J14.13 J15.3 J16.10 J16.11 J16.12 J16.13 J16.14 pad.1 Q1.2 R6.2 SW1.1 SW1.2 U1.2 U2.2 U3.3 U4.27 U4.34 U4.36 U4.37 U4.40 U4.41 | length 899.6
  Top Layer w0.4: 1.375,39.885 1.49,40 v1(10,40) ; 5,10.594 5,5 8.05,1.95 v1@28,1.95 ; 10,2.492 v1(10,5) v1(10,7) v1(10,9) v1(10,11) v1(10,13) v1(10,15) v1(10,17) v1(10,19) 10,19.875 ; 10,32 v1(10,31) v1(10,29) v1(10,27) v1(10,25) v1(10,23) v1(10,21) 10,19.875 ; 10,49 v1(10,40) ; 10.075,37.4 10,37.475 v1(10,40) ; 10.692,17.233 10.732,17.273 13.739,17.273 ; 10.732,33.75 13.991,33.75 16.508,31.233 16.508,29.58 ; 13,40 v1(10,40) ; 15.978,22.902 19.499,22.902 20.576,23.978 ; 16.26,29.58 16.508,29.58 ; 16.331,27.168 16.508,27.168 ; 17.312,40.183 22.178,40.183 A5.2@23,41.004 ; 17.95,38 23.168,38 v1@23.223,38.055 ; 22.948,2.305 23,2.357 v1(23,13) ; v1@24.019,17.073 37.263,17.073 ; 25.978,29.58 16.508,29.58 ; v1(27,38) 37.486,38 37.5,37.986 ; A5.2@27.4,40 v1(38,40) ; 27.55,24.669 25.051,27.168 16.508,27.168 ; v1@27.957,12.958 28,12.915 v1@28,1.95 ; v1(34.9,28.644) 45.103,28.644 ; J9.2 36.65,19.7 D6.2 36.65,22.4 SW1.1 ; 37.883,17.263 38,17.147 v1@38,10.266 ; v1@40.694,44 90.796,44 90.796,41.916 v1@43.11,41.916 ; v1@41.694,46 91,46 ; v1@42.694,42 92,42 ; v1@42.694,48 92,48 95,45 98,42 98,8.396 95,5.396 95,5 92,2 v1@73.675,2 ; 44.898,10.266 v1@38,10.266 ; 44.918,1.107 44.918,1.95 ; 44.918,10.246 44.918,1.95 ; 53.623,34.155 59.316,34.155 ; 54,40 v1(56.5,40) ; 54.891,1.602 54.891,2 ; v1@56.5,34.406 v1(56.5,40) ; 56.5,40.7 v1(56.5,40) ; 58.111,26.571 58.111,19.997 v1(55.93,17.816) 55.93,9.609 54.891,8.57 54.891,2 ; 59.529,40 v1(56.5,40) ; v1@60.509,27.215 v1(60.509,29.363) ; v1(62,4) v1(62,5) ; C13.2 63.625,24.025 U2.2 ; v1(64.175,10.175) D5.5 ; D5.2 v1(64.175,14.95) ; 68,40 71.239,40 ; J11.5 68.325,5.002 68.625,5.302 J12.5 ; v1(68.646,30.076) 70.975,30.076 ; 68.702,10.713 U1.2@70.363,10.713 ; 68.775,20.15 69.876,20.15 U1.2@70.807,19.22 ; 68.86,14.292 U1.2@73.942,14.292 ; 68.87,11.703 U1.2@71.353,11.703 ; 68.973,16.988 U1.2@73.038,16.988 ; 68.984,19.22 U1.2@70.807,19.22 ; 69.125,18 U1.2@72.026,18 ; 70.255,9.012 70.255,10.605 U1.2@70.363,10.713 ; 71.239,22.01 U1.2@71.239,19.111 ; 71.574,9.09 U1.2@71.574,11.924 ; v1(72,4) v1(72,5) ; 73,9 U1.2@73,13.35 ; 73.675,1.235 v1@73.675,2 ; 74.3,8.942 U1.2@74.3,14.65 ; 75,40 v1(83.09,40) ; v1(75.05,24.603) v1(75.05,23) v1@75.05,21.885 ; 75.1,30.35 80.508,30.35 81.108,30.95 ; 75.632,8.902 U1.2@75.632,14.718 ; 76.675,8.902 U1.2@76.675,13.675 ; 78.2,21.646 U1.2@78.2,18.55 ; 78.902,31.101 78.902,39.675 ; 79.3,8.767 U1.2@79.3,11.05 ; U1.2@79.54,19.89 79.54,21.77 ; 80.255,8.534 v1(79.867,8.534) v1(77.812,8.534) ; v1(80.991,19.576) 79.226,19.576 U1.2@78.2,18.55 ; v1@81,9.1 81,10.605 ; 81,23.845 v1(81,23) 81,18 ; 81.336,18 81,18 ; 81.402,16.675 81,16.675 ; 82.579,24.196 v1(82.579,27.654) ; v1@87.65,30.533 v1(87.65,39.882) ; 88.486,6.95 92.781,11.245 92.781,13.916 91.597,15.1 91.597,27.003 89.9,28.7 v1(88.611,28.7) ; 10,19.875 11.391,19.875 11.941,19.325 16.508,23.892 16.508,27.168 ; 16.508,27.168 16.508,29.58 ; v1@28,1.95 v1@38,1.95 ; v1@38,1.95 44.918,1.95 ; v1@38,1.95 v1@38,10.266 ; 44.918,1.95 52.875,1.95 52.925,2 54.891,2 ; 54.891,2 v1@73.675,2 ; U1.2@70.363,10.713 U1.2@71.353,11.703 ; U1.2@70.807,19.22 71.13,19.22 U1.2@71.239,19.111 ; U1.2@70.807,19.22 U1.2@72.026,18 ; U1.2@71.239,19.111 72.862,20.734 72.862,21.85 72.897,21.885 v1@75.05,21.885 ; U1.2@71.239,19.111 U1.2@72.35,18 ; U1.2@71.353,11.703 U1.2@71.574,11.924 ; U1.2@71.574,11.924 U1.2@73,13.35 ; U1.2@72.026,18 U1.2@72.35,18 ; U1.2@72.026,18 U1.2@73.038,16.988 ; U1.2@72.35,18 U1.2@73.362,16.988 ; U1.2@73,13.35 U1.2@73.942,14.292 ; U1.2@73.038,16.988 U1.2@73.362,16.988 ; U1.2@73.038,16.988 74.676,15.35 U1.2 ; U1.2@73.362,16.988 U1.2 ; v1@73.675,2 v1(73.675,8.534) v1(75.632,8.534) v1(77.812,8.534) ; U1.2@73.942,14.292 U1.2@74.3,14.65 ; U1.2@74.3,14.65 U1.2 ; U1.2 U1.2@75.05,15.4 ; U1.2 U1.2@75.632,14.718 ; U1.2@75.05,15.4 v1@75.05,21.885 ; U1.2@75.05,15.4 U1.2@76.325,16.675 ; v1@75.05,21.885 76.468,21.885 U1.2@76.468,16.818 ; U1.2@75.632,14.718 U1.2@76.675,13.675 ; U1.2@76.325,16.675 81,16.675 ; U1.2@76.325,16.675 U1.2@76.468,16.818 ; U1.2@76.468,16.818 U1.2@77.65,18 ; U1.2@76.675,13.675 U1.2@76.782,13.568 ; U1.2@76.782,13.568 81,13.568 ; U1.2@76.782,13.568 U1.2@77.812,12.538 ; U1.2@77.65,18 81,18 ; U1.2@77.65,18 U1.2@78.2,18.55 ; v1(77.812,8.534) U1.2@77.812,12.538 ; U1.2@77.812,12.538 U1.2@78.294,12.056 ; U1.2@78.294,12.056 81,12.056 ; U1.2@78.294,12.056 U1.2@79.3,11.05 ; U1.2@79.3,11.05 79.745,10.605 81,10.605 ; 81,10.605 81,12.056 ; 81,12.056 v1(81,13) 81,13.568 ; 81,13.568 v1(81,15) 81,16.675 ; 81,16.675 81,18
  Bottom Layer w0.4: v1(64.175,10.175) v1(64.175,14.95)
  other v1: 10,2 12,2 14,2 16,2 18,2 20,2 22,2 24,2 26,2 28,2 30,2 32,2 34,2 36,2 38,2 40,2 44,2 46,2 54,2 56,2 60,2 65,2 67,2 69,2 74,2 76,2 78,2 80,2 82,2 84,2 86,2 88,2 90,2 23,3 38,4 45,4 23,5 27.9,5 38,6 45,6 23,7 28,7 69.713,7.368 38,8 45,8 59.945,8 89.35,8 50.997,8.462 53.792,8.462 23,9 28,9 55.41,9.089 80.991,9.294 90.786,9.331 58.067,9.9 3,10 5,10 7,10 38,10 40,10 42,10 44,10 92.305,10.85 23,11 28,11 98,11 43.625,11.975 38,12 55.966,12.5 57.82,12.49 46.842,12.661 52.248,12.675 54.808,12.703 92.968,12.784 28,13 98,13 38,14 98,15 52.295,15.3 91.597,15.35 55.93,16 12,17 14,17 24,17 26,17 28,17 30,17 98,17 80.991,17.363 91.445,17.75 57.075,18 39.86,18.704 98,19 91.538,20.5 98,21 81.043,21.751 75,22 69.967,22.767 17,23 19,23 58.111,23 98,23 61.231,23.075 91.461,23.334 21,24 66.25,24.025 82.5,24.557 27,25 98,25 36.007,25.4 91.611,25.4 82.579,25.925 26,26 58.111,26 17,27 19,27 21,27 23,27 98,27 60.509,27.53 90.748,27.852 38.857,28.297 41.033,28.417 44,28.644 98,29 70.579,29.971 16,30 18,30 20,30 22,30 24,30 26,30 79,30.35 76.675,30.421 80.808,30.65 87.55,30.7 39.848,30.735 98,31 87.609,32.233 79,32.35 10,33 98,33 43.2,33.55 54.808,34.122 56.47,34.155 58.4,34.155 40.8,35 98,35 44.918,35.046 10,37 98,37 11,38 19,38 21,38 23,38 29,38 31,38 33,38 35,38 37,38 98,39 68.463,39.916 70.35,39.95 76.2,39.95 2,40 4,40 6,40 8,40 12,40 18,40 20,40 22,40 28,40 30,40 32,40 34,40 36,40 54.75,40 58.25,40 78.75,40 81,40 98,41 10,42 43,42 45,42 47,42 49,42 51,42 53,42 55,42 57,42 59,42 61,42 63,42 65,42 67,42 69,42 71,42 73,42 75,42 77,42 79,42 81,42 83,42 85,42 87,42 89,42 91,42 10,44 41,44 43,44 45,44 47,44 49,44 51,44 53,44 55,44 57,44 59,44 61,44 63,44 65,44 67,44 69,44 71,44 73,44 75,44 77,44 79,44 81,44 83,44 85,44 87,44 89,44 10,46 42,46 44,46 46,46 48,46 50,46 52,46 54,46 56,46 58,46 60,46 62,46 64,46 66,46 68,46 70,46 72,46 74,46 76,46 78,46 80,46 82,46 84,46 86,46 88,46 90,46 10,48 43,48 45,48 47,48 49,48 51,48 53,48 55,48 57,48 59,48 61,48 63,48 65,48 67,48 69,48 71,48 73,48 75,48 77,48 79,48 81,48 83,48 85,48 87,48 89,48 91,48
GND_BTN_DENY: D8.2 J6.2 U3.2 | length 43.1
  Top Layer w0.4: U3.2 64.73,39.27 D8.2 66.697,39 67.375,38.322 v1(67.375,35.5) ; v1(89.5,35.5) 91.05,35.5 93.046,33.504 93.046,32.223 95.85,29.419 J6.2
  Bottom Layer w0.4: v1(67.375,35.5) v1(89.5,35.5)
GSM_DTR: U4.19
GSM_PWRKEY: C14.1 D5.3 J11.4 J12.4 J15.1 SW1.3 SW1.4 U4.7 | length 84.4
  Top Layer w0.4: U4.7 21.7,22.572 23.028,23.9 27.038,23.9 29.938,21 v1(31.1,21) C14.1 33.25,21.65 SW1.3 32.35,23.5 v1(32.25,23.6) ; v1(33.2,28.7) 33.2,31.45 SW1.4 ; J15.1 60.3,20.125 60.3,15.709 60.859,15.15 63.225,15.15 ; D5.3 63.225,15.15 ; J11.4 67.675,5.425 67.85,5.6 67.85,7.275 J12.4 67.825,9.4 66.675,10.55 66.675,11.975 66,12.65 66,14.45 64.625,15.825 63.9,15.825 63.225,15.15
  Bottom Layer w0.4: v1(31.1,21) 48.95,21 49.85,20.1 60.275,20.1 J15.1 J15.1@61.65,21.25 ; v1(32.25,23.6) 32.25,27.75 v1(33.2,28.7)
GSM_RI: U4.20
GSM_RX: D5.1 J11.3 J12.3 J15.4 U4.18 | length 55.6
  Top Layer w0.4: U4.18 37.745,27.6 42.15,23.195 42.15,16.8 45.075,13.875 v1(47.425,13.875) ; J15.4 62.605,12.92 64.88,12.92 65.975,11.825 65.975,10.275 67.025,9.225 J12.3 J11.3 ; 65.125,12.675 D5.1
  Bottom Layer w0.4: v1(47.425,13.875) J15.4
GSM_TX: D5.6 J11.2 J12.2 J15.5 U4.17 | length 54.3
  Top Layer w0.4: U4.17 37.3,26.5 40.9,22.9 40.9,16.7 v1(46.275,11.325) 46.7,11.325 ; J15.5 62.645,12.32 64.631,12.32 65.125,11.826 D5.6 65.125,10.19 66.225,9.09 J12.2 66.225,5.587 66.375,5.437 J11.2
  Bottom Layer w0.4: v1(46.275,11.325) J15.5
GSM_VDD: C12.1 D9.2 J8.2 J15.2 U2.3 U4.42 U4.43 U4.44 | length 73.7
  Top Layer w0.4: U4.44 U4.43 U4.42 v1(15.6,25.4) ; D9.2 44.85,33.408 45.258,33 v1(47.45,33) ; J15.2 61.675,18.9 J8.2 ; v1(63.336,21.45) C12.1 ; U2.3 C12.1 ; J8.2@64.955,18.925 64.95,18.93 C12.1
  Bottom Layer w0.4: v1(15.6,25.4) 23.938,25.4 v1(26.3,27.762) 28.118,29.58 44.03,29.58 v1(47.45,33) 53.6,33 56.85,29.75 56.85,28.987 63.336,22.501 v1(63.336,21.45)
LED_GREEN: D4.1 J7.1 U4.32 | length 23.2
  Top Layer w0.4: v1(18.4,32.5) U4.32 ; J7.1 35.7,36.05 D4.1
  Bottom Layer w0.4: v1(18.4,32.5) 20.65,34.75 34,34.75 J7.1
LED_NETWORK: D6.1 J9.1 U4.16 | length 9.9
  Top Layer w0.35: U4.16 33.6,25.4 34.55,24.45 D6.1 34.55,19.7 J9.1
LED_RED: D4.2 J7.2 U4.31 | length 21.4
  Top Layer w0.4: v1(19.5,32.5) U4.31 ; J7.2 35.7,33.95 D4.2
  Bottom Layer w0.4: v1(19.5,32.5) 21.1,34.1 33.85,34.1 34.2,33.75 J7.2
MICN: C7.2 C8.2 C10.1 C11.1 J10.2 J13.1 U4.4 | length 16.9
  Top Layer w0.25: U4.4 18.4,16.8 C7.2 C8.2 18.7,8.35 18.65,8.3 18.65,5.9 J10.2
MICP: C1.2 C2.2 C7.1 C8.1 J10.1 J13.2 U4.3 | length 16.9
  Top Layer w0.25: J10.1 17.15,5.9 17.15,8.3 17.15,16.45 C7.1 17.3,16.7 U4.3
NetD7_1: D7.1 R7.1 | length 5.1
  Top Layer w0.4: D7.1 65.182,29.41 65.722,29.41 66.112,29.8 R7.1
NetD8_1: D8.1 R4.1 R7.2 | length 5.7
  Top Layer w0.4: R7.2 63.112,32.933 62.579,33.467 R4.1 63.266,35 D8.1
NetJ1_1: J1.1 J2.2 R2.2 R3.1 | length 10.9
  Top Layer w0.5: J1.1 85.706,19 R3.1 R2.2 ; R3.1@86.166,19.23 J2.2
NetR4_2: R4.2 U3.1 | length 2.5
  Top Layer w0.4: R4.2 60.979,36.559 U3.1
OC_OUT: D10.3 J20.1 Q1.3 | length 60.5
  Top Layer w0.4: D10.3 43.15,36.15 v1(43.5,36.5) ; Q1.3 43.15,39.75 v1(43.5,40.1) ; v1(89.5,36.5) 91.85,36.5 J20.1
  Bottom Layer w0.4: v1(43.5,40.1) v1(43.5,36.5) v1(89.5,36.5)
OUTPUT: Q1.1 U4.29 | length 28
  Top Layer w0.4: v1(21.7,32.5) U4.29 ; v1(39.053,37.4) 39.053,39.453 39.55,39.95 Q1.1
  Bottom Layer w0.4: v1(21.7,32.5) 22.6,33.4 33.701,33.4 33.701,33.399 34.7,32.4 36.233,32.4 37.5,33.667 37.5,35.847 v1(39.053,37.4)
POWDC: D1.1 D2.3 J1.2 R2.1 | length 17.9
  Top Layer w0.5: D2.3 80.939,7 82.936,8.998 D1.1 R2.1 J1.2
POWER: D1.2 D2.1 D2.2 J4.1 R1.2 | length 19.5
  Top Layer w0.5: D2.1@75.15,4.65 J4.1 86.936,10.086 D1.2 88.586,13 R1.2@90.5,13
RF_ANT: A1.1 A2.1 A3.1 U4.35 | length 16.1
  Top Layer w0.7: A3.1 U4.35 A2.1
SIM_CD: J14.9 J16.9 | length 8.9
  Top Layer w0.35: J16.9 43.41,26.09 J14.9
SIM_CLK: J14.3 J16.3 J18.3 J19.3 U4.13 | length 52.3
  Top Layer w0.35: U4.13 v1(29.5,20.2) ; J18.3 47.205,9.605 48.49,10.89 J14.3 J16.3@48.49,26.09 ; 47.305,5.6 v1(48.5,5.6)
  Bottom Layer w0.35: v1(29.5,20.2) 32,17.7 47.29,17.7 v1(48.49,18.9) ; v1(48.5,5.6) 49,6.1 51.2,6.1 52.295,5.005 J19.3
SIM_GND: C15.2 J14.5 J16.5 J18.5 J19.5 U4.10 | length 62
  Top Layer w0.35: J16.5@52.285,26.105 J18.5 53.57,28.55 v1(54.9,29.88) C15.2 ; J16.5 52.29,17.26 J14.5
  Top Layer w0.4: U4.10 v1(25,22.6)
  Bottom Layer w0.35: J19.5 47.215,29.778 49.206,31.769 53.011,31.769 v1(54.9,29.88)
  Bottom Layer w0.4: v1(25,22.6) 28.6,19 29.887,19 31.762,17.125 32.743,17.125 33.168,16.7 49.95,16.7 v1(52.3,19.05)
SIM_IO: J14.7 J16.7 J18.7 J19.7 U4.11 | length 45.5
  Top Layer w0.35: U4.11 v1(26.1,22.6) ; J18.7 47.22,28.535 v1(47.22,23.7) J14.7
  Bottom Layer w0.35: v1(26.1,22.6) 27.6,21.1 29.7,21.1 30.1,20.7 32.5,18.3 37.95,18.3 39.75,20.1 v1(47.22,20.1) ; v1(47.22,23.7) 49.62,26.1 51.6,26.1 52.295,26.795 J19.7
SIM_RST: J14.2 J16.2 J18.2 J19.2 U4.12 | length 51.9
  Top Layer w0.35: U4.12 v1(27.2,22.6) ; J18.2 v1(49.745,5) 49.745,9.145 51.02,10.42 J16.2
  Bottom Layer w0.35: v1(27.2,22.6) 27.9,23.3 31.015,23.3 31.765,22.55 50.582,22.55 v1(51.02,22.112) ; v1(49.745,5) 49.745,3.36 J19.2
SIM_VDD: C15.1 J14.1 J16.1 J18.1 J19.1 U4.14 | length 66.3
  Top Layer w0.35: v1(30.05,22) U4.14 ; J18.1 52.285,9.185 53.57,10.47 J14.1 53.57,19.42 56.627,22.477 56.627,24.173 54.7,26.1 ; J16.1 54.7,26.1 ; C15.1 56.88,28.28 54.7,26.1
  Bottom Layer w0.35: v1(30.05,22) 49.762,22 50.462,21.3 v1(55.45,21.3) ; J19.1 47.215,5.715 48.4,6.9 v1(52.285,6.9)
SIM_VPP: J14.6 J16.6 J18.6 J19.6 | length 14.2
  Top Layer w0.35: J14.6@49.745,17.265 J18.6
  Top Layer w0.4: J18.6 49.755,28.56 v1(49.755,30)
  Bottom Layer w0.35: J19.6 v1(49.755,30)
SPK1P: C25.2 U4.5 | length 13.1
  Top Layer w0.5: U4.5 19.5,18.1 23.1,14.5 C25.2
SPK2P: U4.2
SPKN: C18.2 C19.2 C20.1 C21.1 J17.3 U4.6 | length 28
  Top Layer w0.5: U4.6 20.6,18.39 23.223,15.767 33.233,15.767 33.7,15.3 C19.2 C18.2 C20.1 C21.1 33.7,5.85 J17.3
SPKP: C16.2 C17.2 C18.1 C19.1 C25.1 J17.2 | length 12.6
  Top Layer w0.5: J17.2 32.1,5.85 C18.1 C19.1 C25.1
pads on no net: D10.2 J12.10 J12.11 J14.4 J14.8 J16.4 J16.8 J18.13 J18.14 J19.13 J19.14 U4.8 U4.9 U4.15 U4.21 U4.22 U4.23 U4.24 U4.25 U4.38 U4.39

## Polygon pours and split planes (outlines as drawn)
GND on Top Layer "Top Layer-No Net" (solid, remove dead copper, shelved, pour order 7): 0,0 100,0 100,50 0,50
GND on Bottom Layer "Top Layer-No Net1" (solid, shelved, pour order 8): 0,0 100,0 100,50 0,50

## Keep-outs
Keep-Out Layer:
  the board outline again, w0.1

## Other copper
Top Layer:
  pour cut-out: 21,50 21,41.502 39.048,41.502 39.053,41.507 39.053,50
  pour cut-out: 0,12 8.996,12 8.996,37.996 9,38 0,38
Bottom Layer:
  pour cut-out: 22.2,50 22.2,42.259 37.748,42.259 37.752,50
  pour cut-out: 0,13.22 7.779,13.22 7.779,36.73 0,36.733

## Text inside footprints (layer, text, board x,y; h text height)
C3: Mechanical 3 "+" at 83.271,29.279 h0.75 r90
C4: Mechanical 3 "+" at 71.271,29.279 h0.75 r90
J1: Mechanical 3 "1" at 81.986,22.81 h0.5 r270
J2: Mechanical 3 "1" at 87.95,22.81 h0.5 r270
J3: Mechanical 3 "1" at 76.69,27.05 h0.5
J4: Mechanical 3 "1" at 79.941,4.7 h0.5
J5: Mechanical 3 "1" at 95.8,10.94 h0.5 r90
J6: Mechanical 3 "1" at 95.8,20.941 h0.5 r90
J7: Mechanical 3 "C" at 35.2,37.229 h0.5 r270; Top Overlay "C" at 35.05,38.543 h0.75 r270
J8: Mechanical 3 "1" at 68.535,19.85 h0.5 r180
J9: Mechanical 3 "C" at 33.371,19.2 h0.5; Top Overlay "C" at 32.057,19.05 h0.75
J10: Mechanical 3 "1" at 13.84,4.2 h0.5
J12: Mechanical 3 "1" at 65.365,5.3 h0.5; Mechanical 3 "5" at 68.508,5.3 h0.5
J17: Mechanical 3 "1" at 23.99,4.25 h0.5
J20: Mechanical 3 "1" at 95.8,30.94 h0.5 r90